# Altium PCB TEZ_Project.PcbDoc (part 1 of 2)
Units mil, origin at the board's own origin, x right, y up, seen from the top; angles counter-clockwise.
Board outline 3896.95 x 2575.43 mil, 4 copper layers (Top Layer, GND, GND (Mid2), Bottom Layer), stack 61.418 mil thick; 158 components, 113 nets, 689 pads, 243 vias.
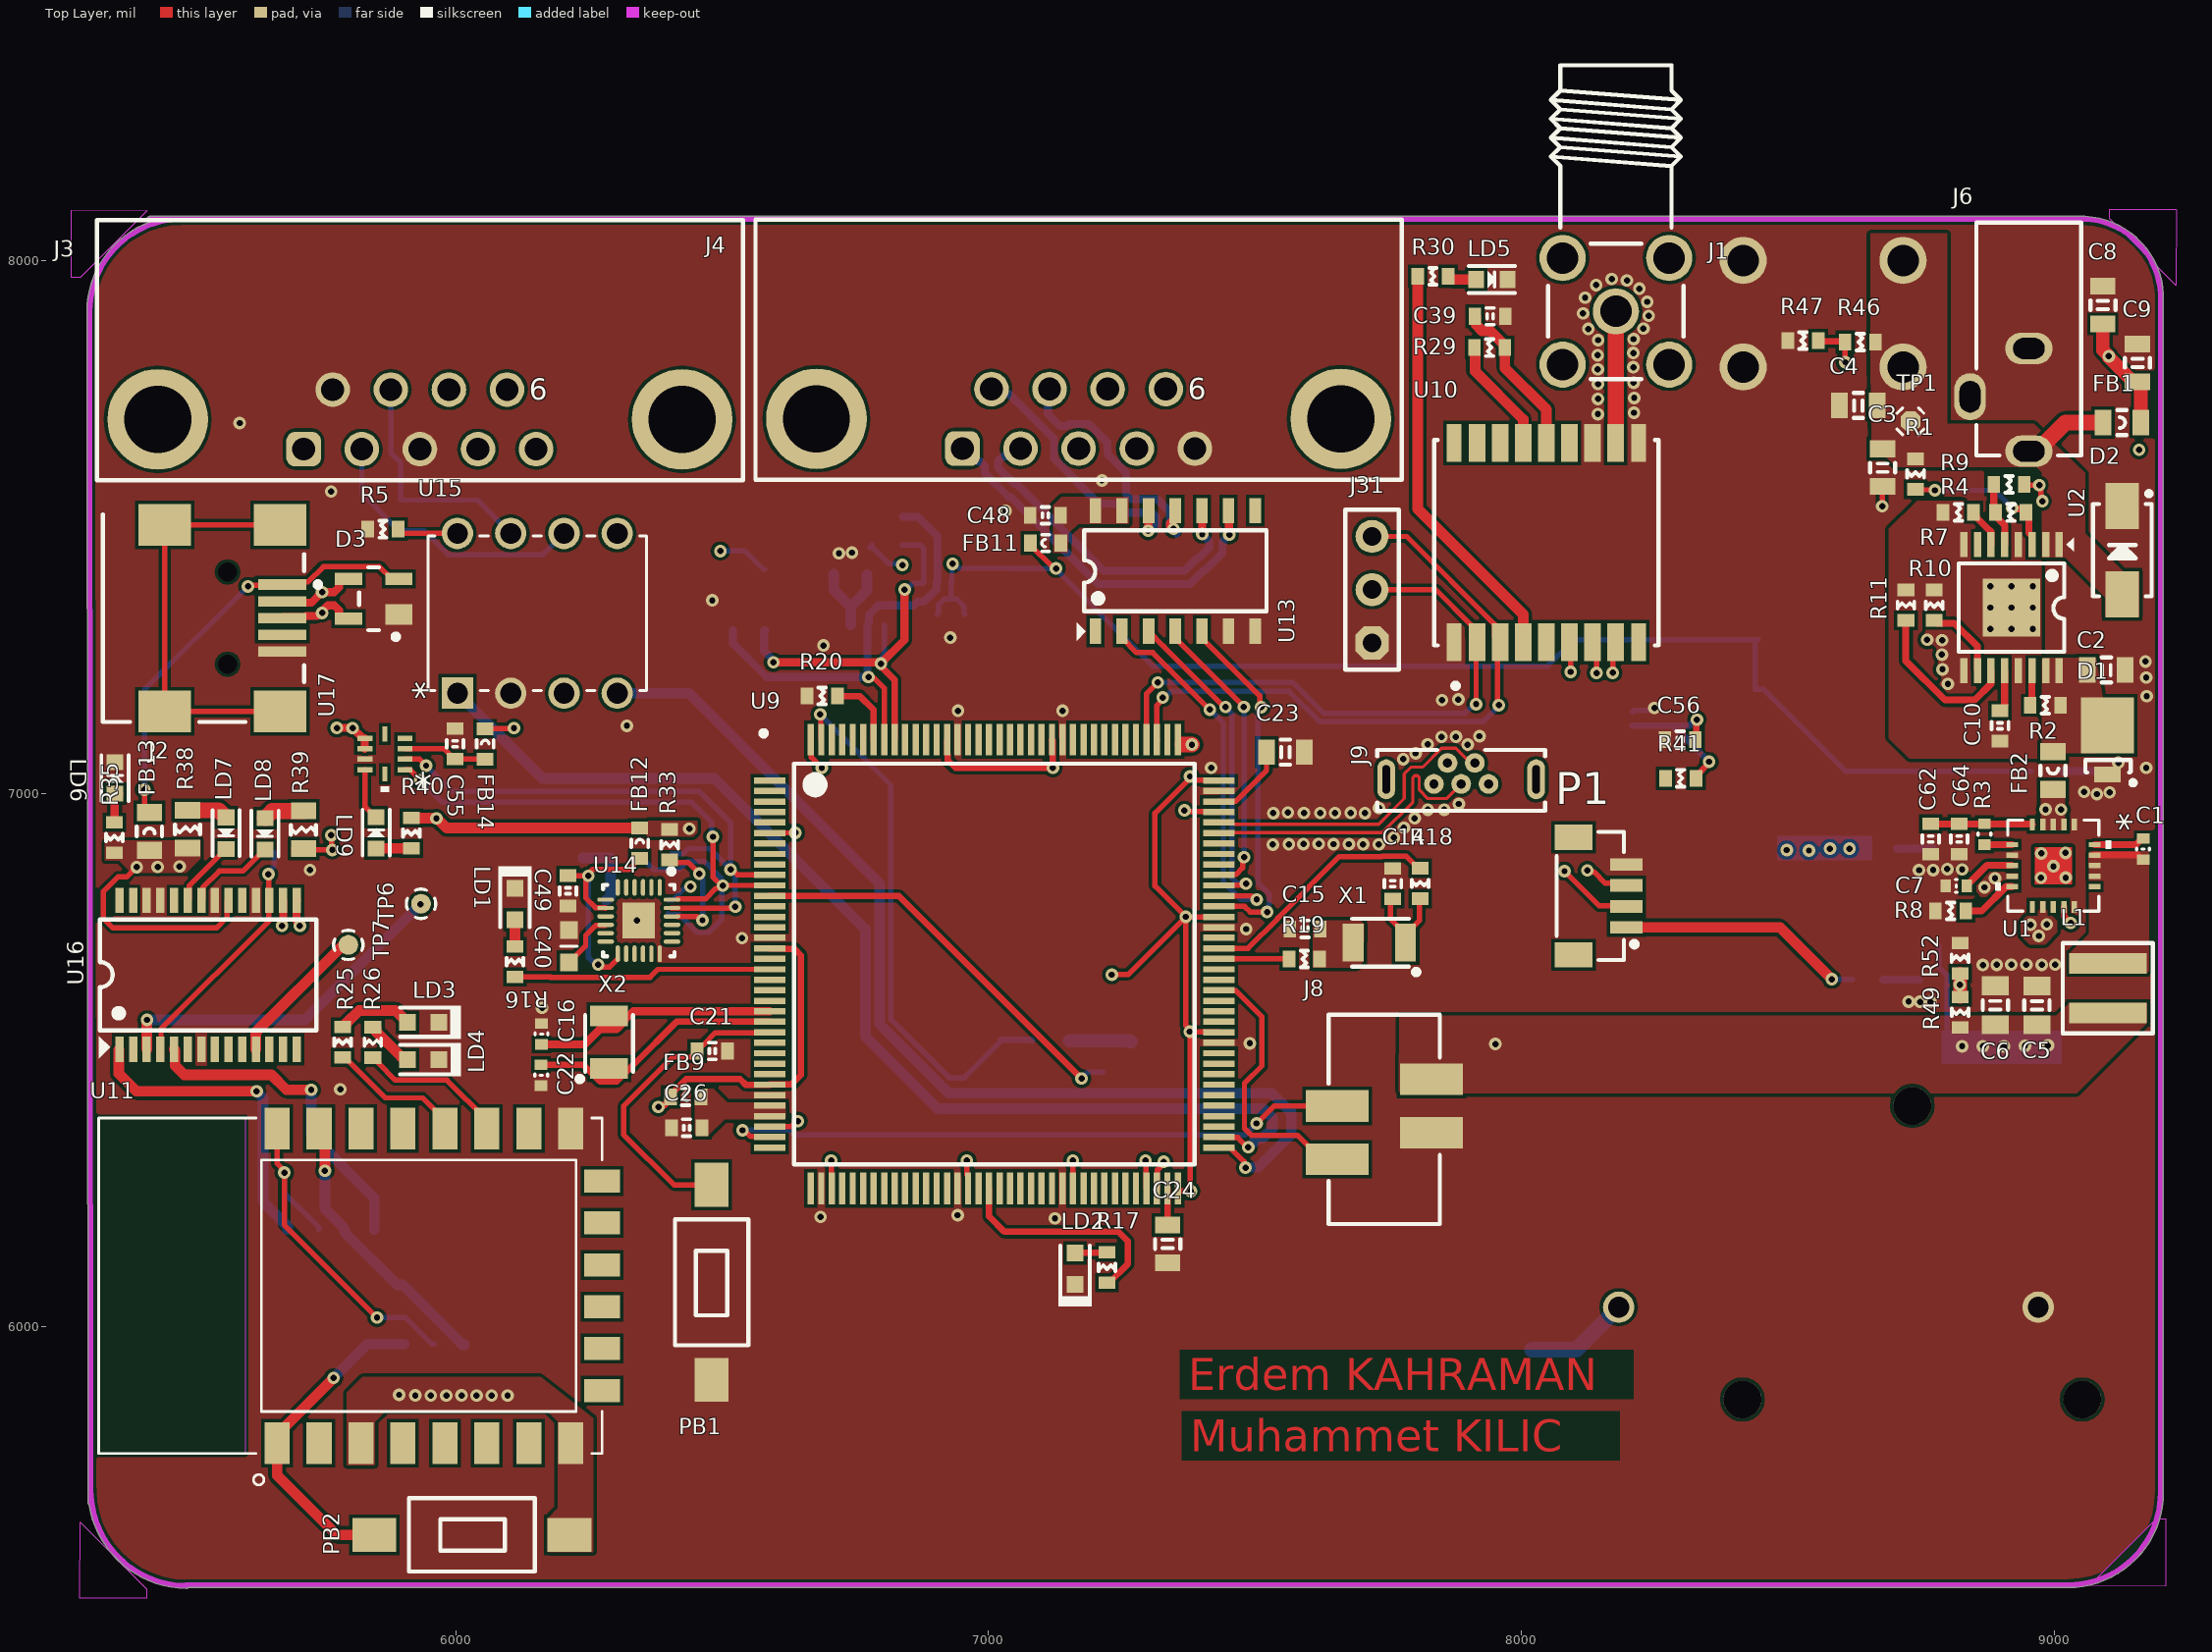
[diagram p0: Top Layer view]
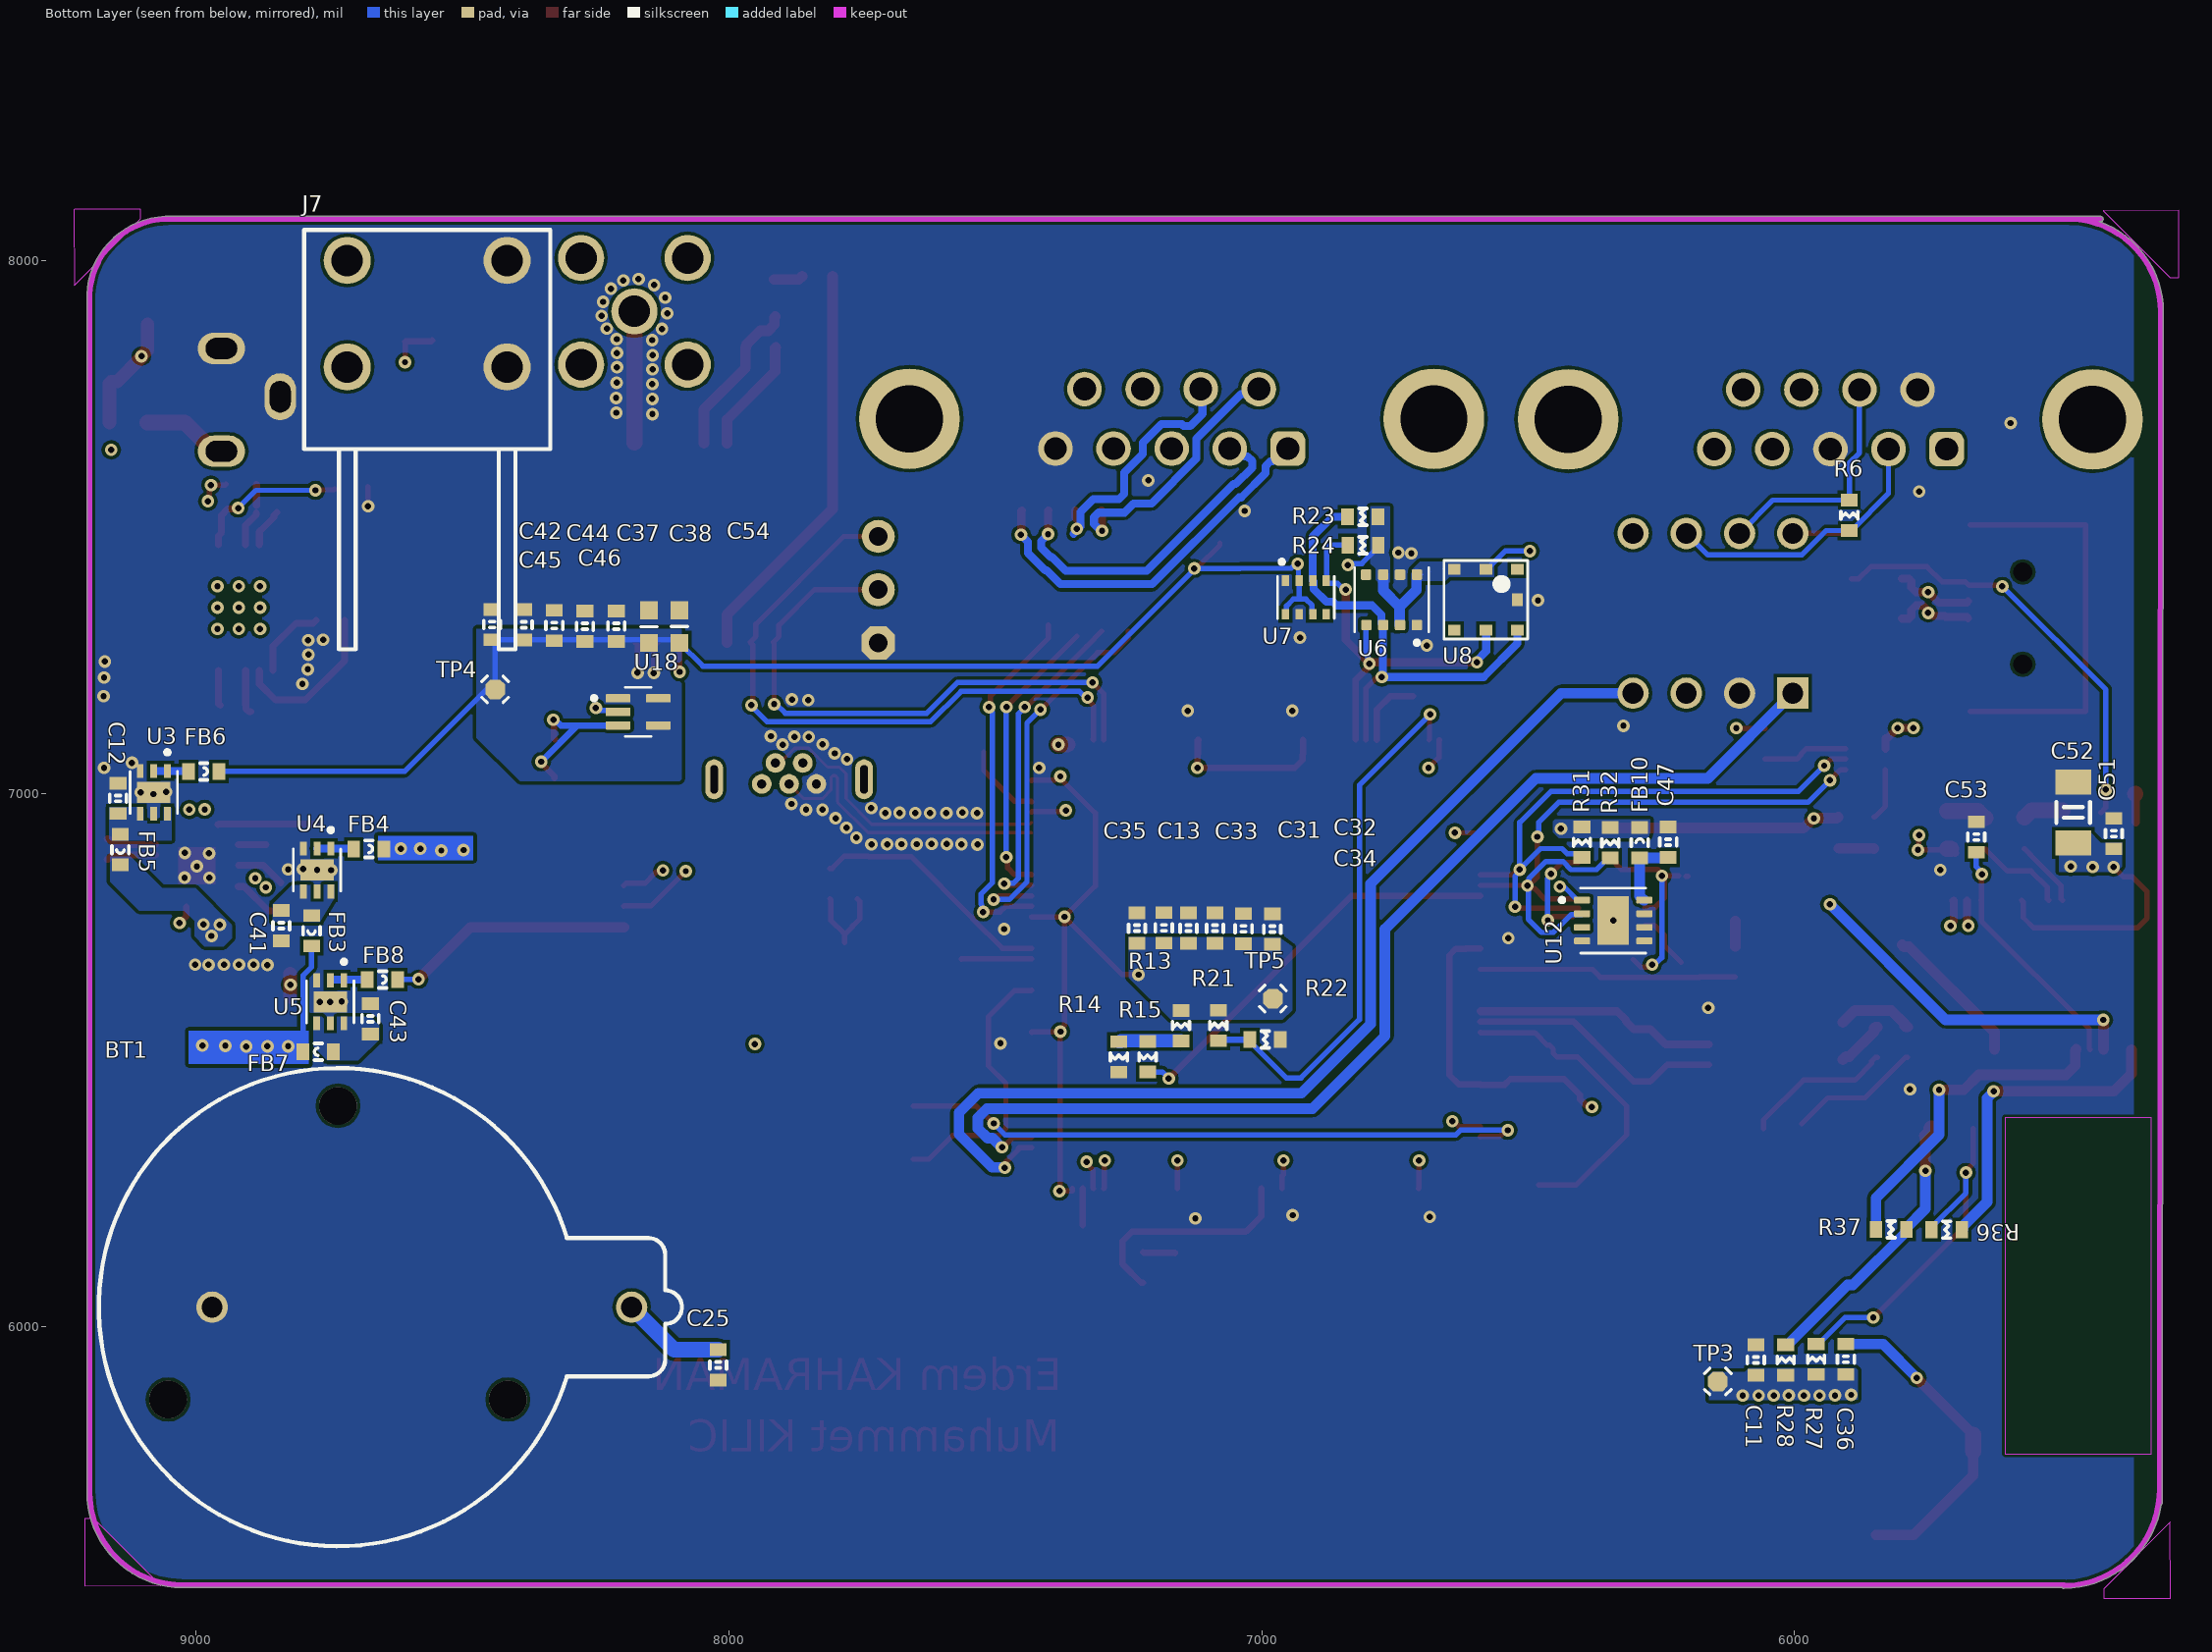
[diagram p1: Bottom Layer view, seen from below]
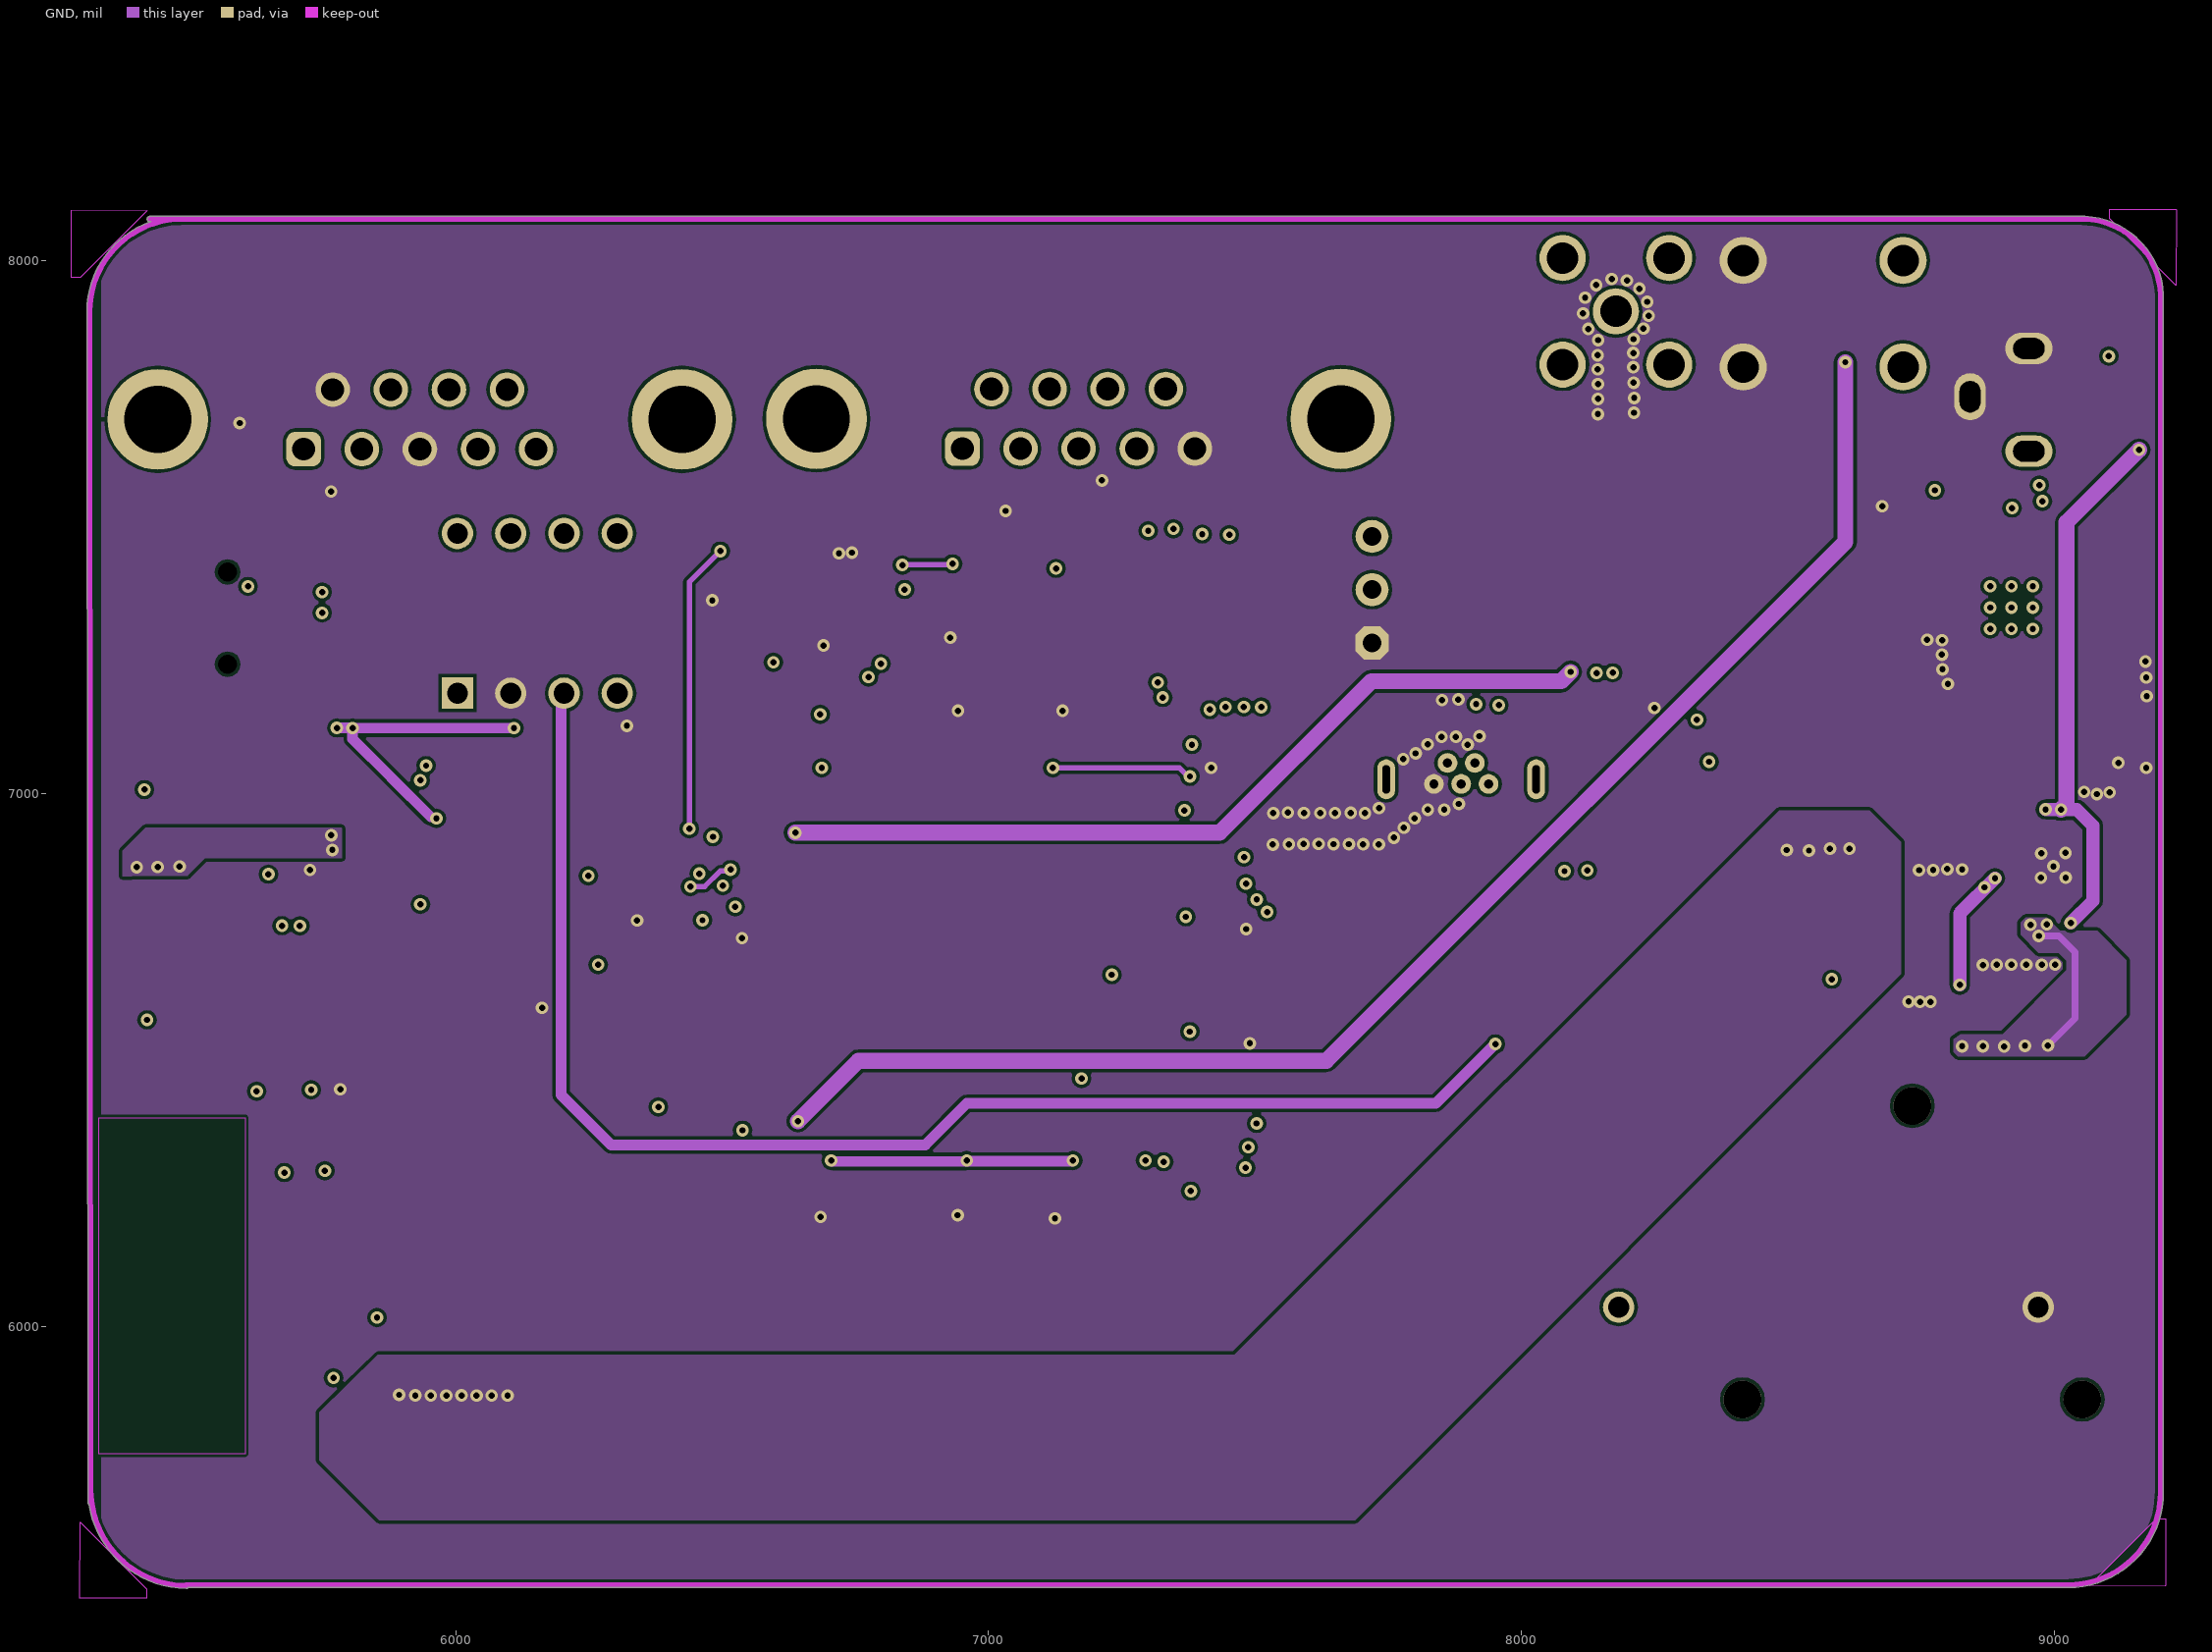
[diagram p2: GND]